# KiCad board TEST_PANEL.kicad_pcb (continued)
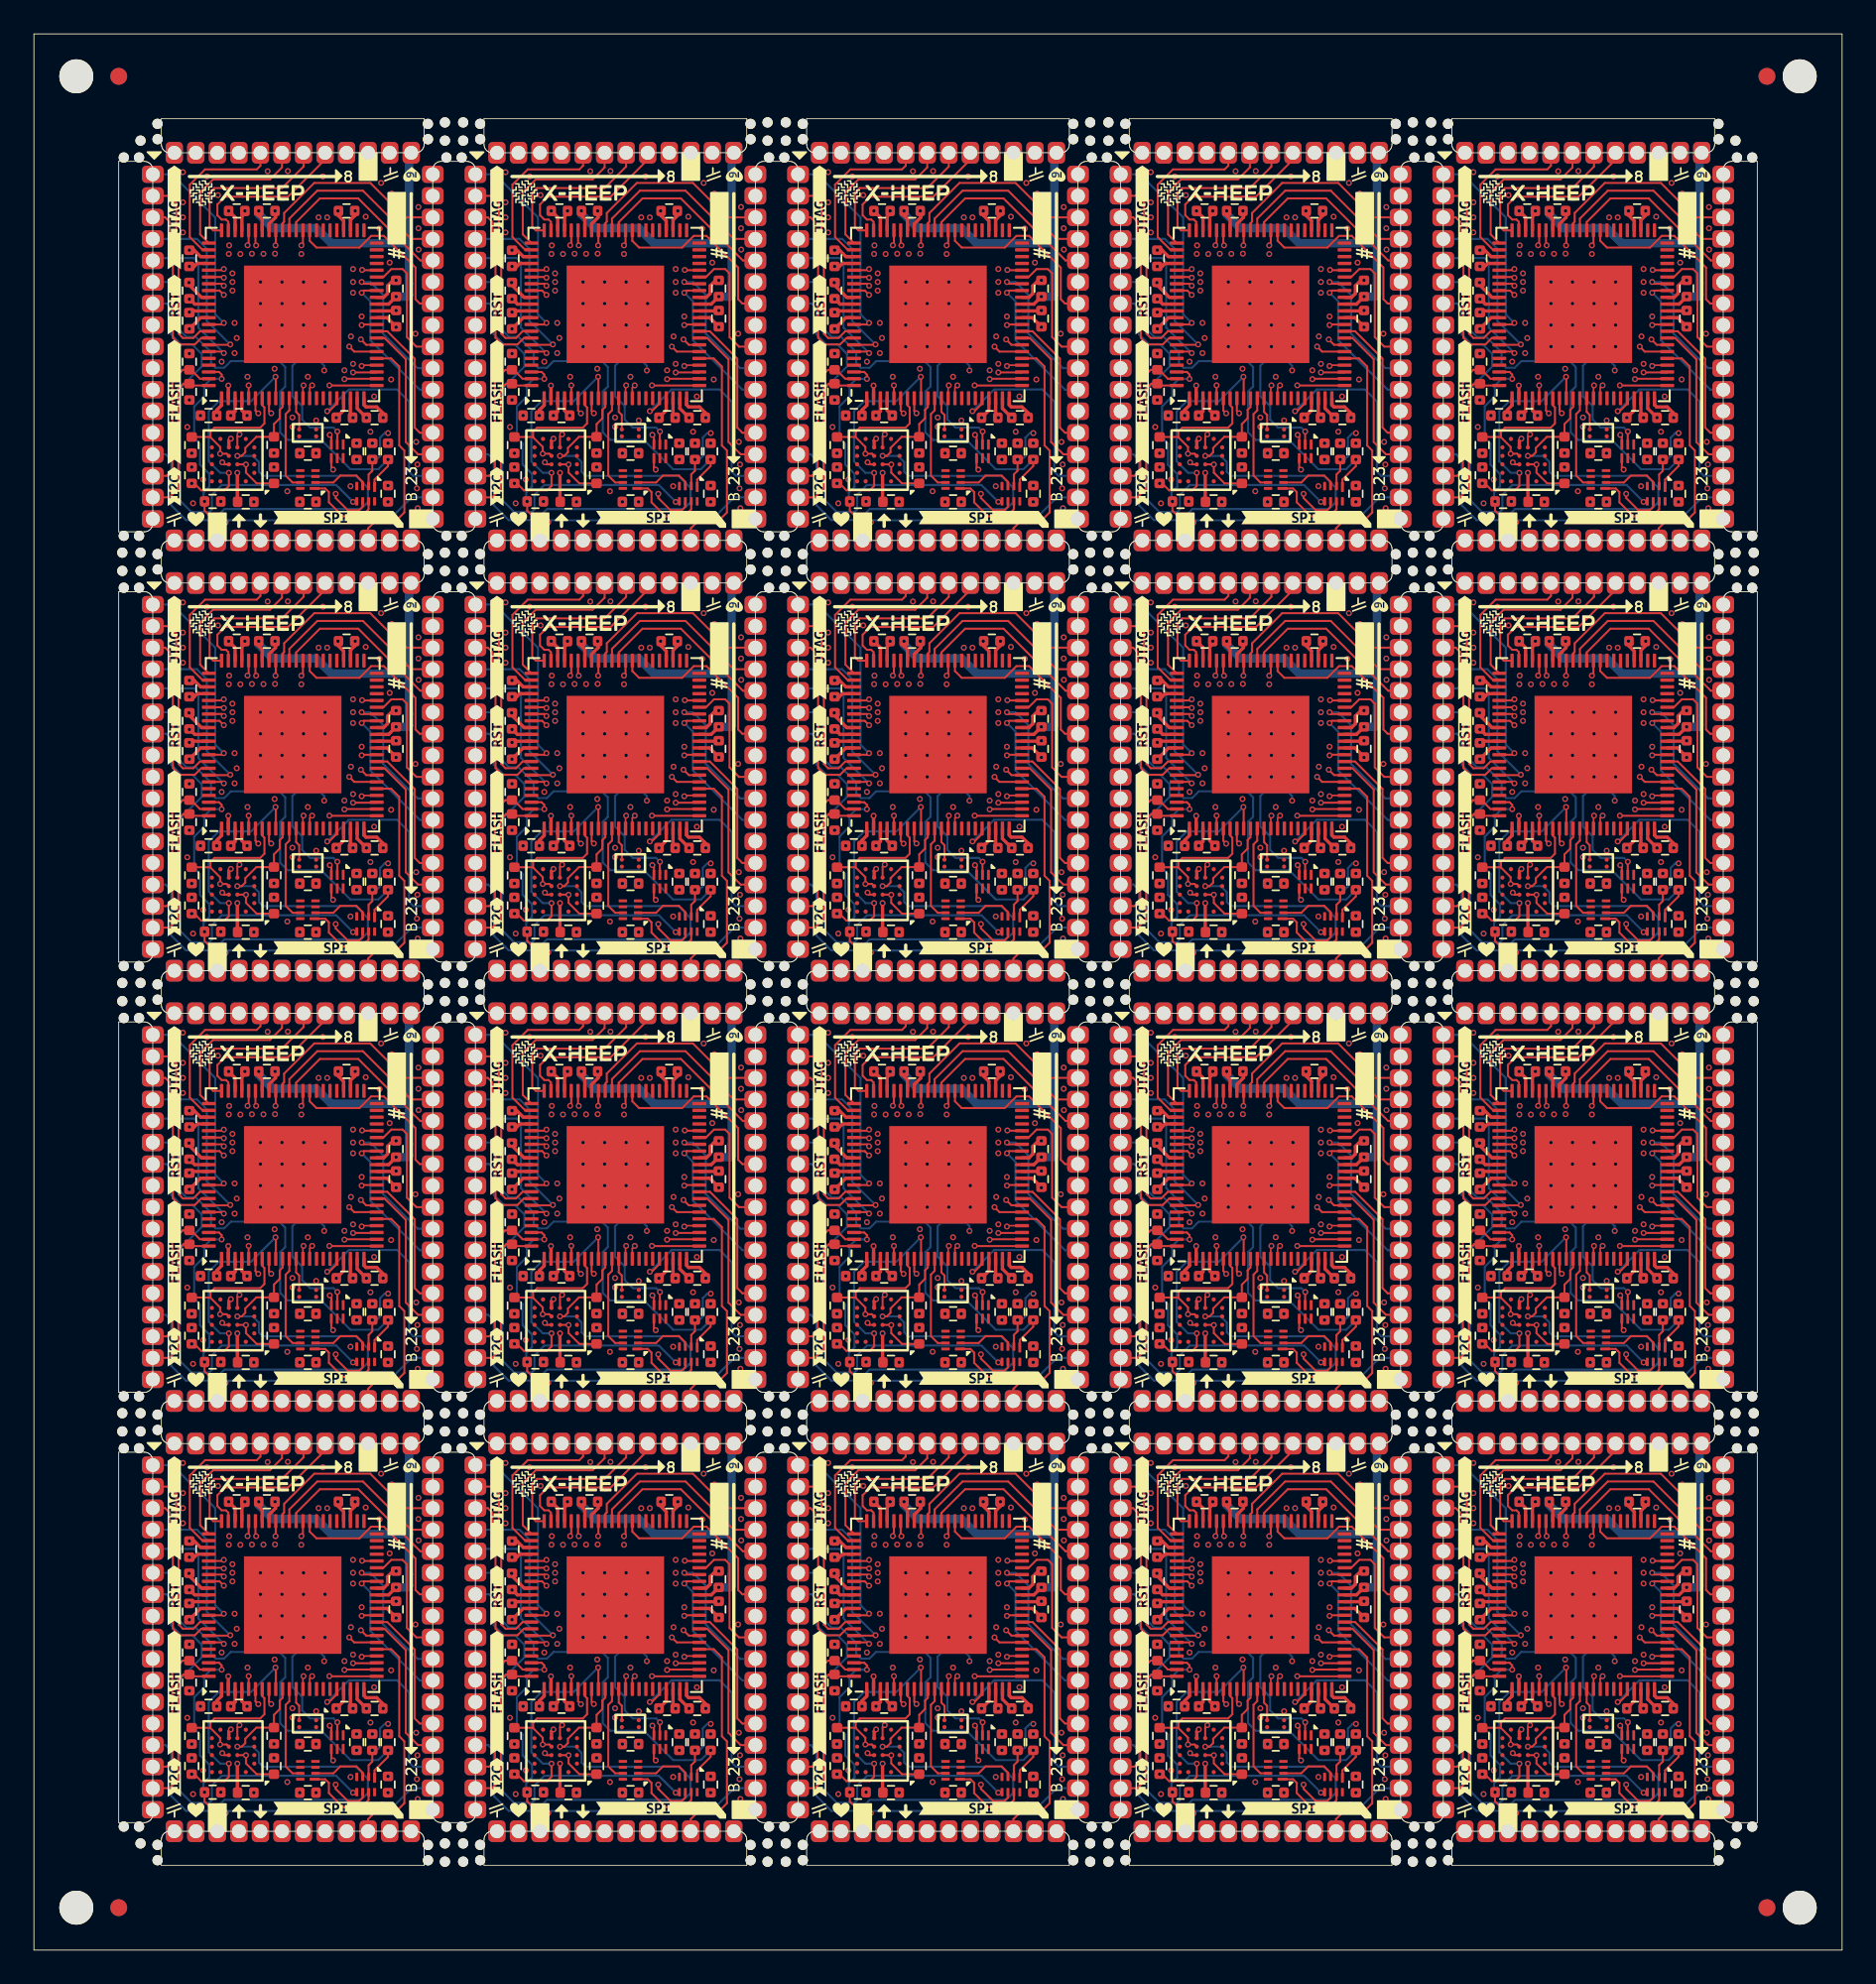
[diagram p0: board, top side]
## Routing (per net, layer and track width the routed paths; a pad name or vN(x,y) marks a point on that pad's centre or on a via; arc(x,y) is an arc through that point) (continued)
Board_15-GPIO_12: length 220.2
  Top w0.12: U46.56 91.17,51.36 92.81,53 95.5,53 98.35,50.16 J10.43 ; U61.56 53.12,76.73 54.76,78.37 57.45,78.37 60.3,75.53 J13.43 ; U41.56 72.14,51.36 73.79,53 76.48,53 79.32,50.16 J9.43 ; J18.43 60.3,100.9 57.45,103.75 54.76,103.75 53.12,102.1 U86.56 ; U16.56 72.14,25.98 73.79,27.63 76.48,27.63 79.32,24.79 J4.43 ; U1.56 15.06,25.98 16.71,27.63 19.4,27.63 22.24,24.79 23.52,24.79 ; U31.56 34.09,51.36 35.74,53 38.43,53 41.27,50.16 J7.43 ; J2.43 41.27,24.79 38.43,27.63 35.74,27.63 34.09,25.98 U6.56 ; J15.43 98.35,75.53 95.5,78.37 92.81,78.37 91.17,76.73 U71.56 ; U56.56 34.09,76.73 35.74,78.37 38.43,78.37 41.27,75.53 J12.43 ; U81.56 34.09,102.1 35.74,103.75 38.43,103.75 41.27,100.9 J17.43 ; J20.43 98.35,100.9 95.5,103.75 92.81,103.75 91.17,102.1 U96.56 ; U26.56 15.06,51.36 16.71,53 19.4,53 22.24,50.16 23.52,50.16 ; J3.43 60.3,24.79 57.45,27.63 54.76,27.63 53.12,25.98 U11.56 ; U91.56 72.14,102.1 73.79,103.75 76.48,103.75 79.32,100.9 J19.43 ; U66.56 72.14,76.73 73.79,78.37 76.48,78.37 79.32,75.53 J14.43 ; U21.56 91.17,25.98 92.81,27.63 95.5,27.63 98.35,24.79 J5.43 ; J8.43 60.3,50.16 57.45,53 54.76,53 53.12,51.36 U36.56 ; U76.56 15.06,102.1 16.71,103.75 19.4,103.75 22.24,100.9 23.52,100.9 ; U51.56 15.06,76.73 16.71,78.37 19.4,78.37 22.24,75.53 23.52,75.53
Board_15-GPIO_13: length 212.6
  Top w0.12: J13.42 60.84,74.26 57.18,77.92 54.92,77.92 53.51,76.52 U61.55 ; U36.55 53.51,51.15 54.92,52.55 57.18,52.55 60.84,48.89 J8.42 ; U11.55 53.51,25.78 54.92,27.18 57.18,27.18 60.84,23.52 J3.42 ; U16.55 72.54,25.78 73.94,27.18 76.2,27.18 79.86,23.52 J4.42 ; J10.42 98.89,48.89 95.23,52.55 92.97,52.55 91.57,51.15 U46.55 ; J20.42 98.89,99.63 95.23,103.29 92.97,103.29 91.57,101.89 U96.55 ; 23.52,23.52 22.78,23.52 19.13,27.18 16.86,27.18 15.46,25.78 U1.55 ; J2.42 41.81,23.52 38.15,27.18 35.89,27.18 34.49,25.78 U6.55 ; J7.42 41.81,48.89 38.15,52.55 35.89,52.55 34.49,51.15 U31.55 ; U26.55 15.46,51.15 16.86,52.55 19.13,52.55 22.78,48.89 23.52,48.89 ; J5.42 98.89,23.52 95.23,27.18 92.97,27.18 91.57,25.78 U21.55 ; J12.42 41.81,74.26 38.15,77.92 35.89,77.92 34.49,76.52 U56.55 ; 23.52,74.26 22.78,74.26 19.13,77.92 16.86,77.92 15.46,76.52 U51.55 ; J15.42 98.89,74.26 95.23,77.92 92.97,77.92 91.57,76.52 U71.55 ; U91.55 72.54,101.89 73.94,103.29 76.2,103.29 79.86,99.63 J19.42 ; U66.55 72.54,76.52 73.94,77.92 76.2,77.92 79.86,74.26 J14.42 ; U41.55 72.54,51.15 73.94,52.55 76.2,52.55 79.86,48.89 J9.42 ; 23.52,99.63 22.78,99.63 19.13,103.29 16.86,103.29 15.46,101.89 U76.55 ; U81.55 34.49,101.89 35.89,103.29 38.15,103.29 41.81,99.63 J17.42 ; U86.55 53.51,101.89 54.92,103.29 57.18,103.29 60.84,99.63 J18.42
Board_15-GPIO_14: length 191.3
  Top w0.12: U6.54 34.89,24.5 v1(34.8,24.41) ; U71.54 91.97,75.24 v1(91.88,75.15) ; U16.54 72.94,24.5 v1(72.85,24.41) ; U46.54 91.97,49.87 v1(91.88,49.78) ; v1(72.85,49.78) 72.94,49.87 U41.54 ; U86.54 53.91,100.61 v1(53.82,100.52) ; v1(53.82,24.41) 53.91,24.5 U11.54 ; U61.54 53.91,75.24 v1(53.82,75.15) ; U56.54 34.89,75.24 v1(34.8,75.15) ; v1(15.77,24.41) 15.86,24.5 U1.54 ; v1(91.88,24.41) 91.97,24.5 U21.54 ; U91.54 72.94,100.61 v1(72.85,100.52) ; U31.54 34.89,49.87 v1(34.8,49.78) ; v1(15.77,100.52) 15.86,100.61 U76.54 ; v1(15.77,75.15) 15.86,75.24 U51.54 ; U96.54 91.97,100.61 v1(91.88,100.52) ; v1(72.85,75.15) 72.94,75.24 U66.54 ; v1(53.82,49.78) 53.91,49.87 U36.54 ; U81.54 34.89,100.61 v1(34.8,100.52) ; v1(15.77,49.78) 15.86,49.87 U26.54
  In3.Cu w0.12: v1(34.8,100.52) 34.94,100.37 36.11,100.37 36.56,99.92 40.22,99.92 41.78,98.36 J17.41 ; v1(72.85,75.15) 73,75 74.16,75 74.61,74.55 78.27,74.55 79.83,72.99 J14.41 ; 23.52,22.25 22.75,22.25 21.19,23.81 17.53,23.81 17.08,24.26 15.92,24.26 v1(15.77,24.41) ; J12.41 41.78,72.99 40.22,74.55 36.56,74.55 36.11,75 34.94,75 v1(34.8,75.15) ; 23.52,98.36 22.75,98.36 21.19,99.92 17.53,99.92 17.08,100.37 15.92,100.37 v1(15.77,100.52) ; J7.41 41.78,47.62 40.22,49.18 36.56,49.18 36.11,49.63 34.94,49.63 v1(34.8,49.78) ; J9.41 79.83,47.62 78.27,49.18 74.61,49.18 74.16,49.63 73,49.63 v1(72.85,49.78) ; v1(53.82,75.15) 53.97,75 55.13,75 55.58,74.55 59.25,74.55 60.81,72.99 J13.41 ; v1(53.82,49.78) 53.97,49.63 55.13,49.63 55.58,49.18 59.25,49.18 60.81,47.62 J8.41 ; J4.41 79.83,22.25 78.27,23.81 74.61,23.81 74.16,24.26 73,24.26 v1(72.85,24.41) ; v1(15.77,49.78) 15.92,49.63 17.08,49.63 17.53,49.18 21.19,49.18 22.75,47.62 23.52,47.62 ; J5.41 98.86,22.25 97.3,23.81 93.64,23.81 93.19,24.26 92.02,24.26 v1(91.88,24.41) ; v1(53.82,24.41) 53.97,24.26 55.13,24.26 55.58,23.81 59.25,23.81 60.81,22.25 J3.41 ; v1(91.88,100.52) 92.02,100.37 93.19,100.37 93.64,99.92 97.3,99.92 98.86,98.36 J20.41 ; J2.41 41.78,22.25 40.22,23.81 36.56,23.81 36.11,24.26 34.94,24.26 v1(34.8,24.41) ; J19.41 79.83,98.36 78.27,99.92 74.61,99.92 74.16,100.37 73,100.37 v1(72.85,100.52) ; v1(53.82,100.52) 53.97,100.37 55.13,100.37 55.58,99.92 59.25,99.92 60.81,98.36 J18.41 ; v1(91.88,75.15) 92.02,75 93.19,75 93.64,74.55 97.3,74.55 98.86,72.99 J15.41 ; J10.41 98.86,47.62 97.3,49.18 93.64,49.18 93.19,49.63 92.02,49.63 v1(91.88,49.78) ; v1(15.77,75.15) 15.92,75 17.08,75 17.53,74.55 21.19,74.55 22.75,72.99 23.52,72.99
Board_15-GPIO_15: length 221.3
  Top w0.12: J8.40 60.81,46.35 60.55,46.6 60.55,48.47 58.69,50.34 57.94,50.34 57.25,49.65 54.71,49.65 54.31,50.05 U36.53 ; 23.52,20.98 22.76,20.98 22.5,21.23 22.5,23.1 20.63,24.97 19.89,24.97 19.2,24.28 16.66,24.28 16.26,24.68 U1.53 ; U31.53 35.29,50.05 35.69,49.65 38.23,49.65 38.91,50.34 39.66,50.34 41.53,48.47 41.53,46.6 41.78,46.35 J7.40 ; U6.53 35.29,24.68 35.69,24.28 38.23,24.28 38.91,24.97 39.66,24.97 41.53,23.1 41.53,21.23 41.78,20.98 J2.40 ; J17.40 41.78,97.09 41.53,97.34 41.53,99.21 39.66,101.08 38.91,101.08 38.23,100.39 35.69,100.39 35.29,100.79 U81.53 ; U21.53 92.37,24.68 92.76,24.28 95.3,24.28 95.99,24.97 96.74,24.97 98.61,23.1 98.61,21.23 98.86,20.98 J5.40 ; 23.52,97.09 22.76,97.09 22.5,97.34 22.5,99.21 20.63,101.08 19.89,101.08 19.2,100.39 16.66,100.39 16.26,100.79 U76.53 ; J20.40 98.86,97.09 98.61,97.34 98.61,99.21 96.74,101.08 95.99,101.08 95.3,100.39 92.76,100.39 92.37,100.79 U96.53 ; U16.53 73.34,24.68 73.74,24.28 76.28,24.28 76.97,24.97 77.71,24.97 79.58,23.1 79.58,21.23 79.83,20.98 J4.40 ; J12.40 41.78,71.72 41.53,71.97 41.53,73.84 39.66,75.71 38.91,75.71 38.23,75.02 35.69,75.02 35.29,75.42 U56.53 ; J3.40 60.81,20.98 60.55,21.23 60.55,23.1 58.69,24.97 57.94,24.97 57.25,24.28 54.71,24.28 54.31,24.68 U11.53 ; J15.40 98.86,71.72 98.61,71.97 98.61,73.84 96.74,75.71 95.99,75.71 95.3,75.02 92.76,75.02 92.37,75.42 U71.53 ; U41.53 73.34,50.05 73.74,49.65 76.28,49.65 76.97,50.34 77.71,50.34 79.58,48.47 79.58,46.6 79.83,46.35 J9.40 ; J13.40 60.81,71.72 60.55,71.97 60.55,73.84 58.69,75.71 57.94,75.71 57.25,75.02 54.71,75.02 54.31,75.42 U61.53 ; J19.40 79.83,97.09 79.58,97.34 79.58,99.21 77.71,101.08 76.97,101.08 76.28,100.39 73.74,100.39 73.34,100.79 U91.53 ; U26.53 16.26,50.05 16.66,49.65 19.2,49.65 19.89,50.34 20.63,50.34 22.5,48.47 22.5,46.6 22.76,46.35 23.52,46.35 ; U66.53 73.34,75.42 73.74,75.02 76.28,75.02 76.97,75.71 77.71,75.71 79.58,73.84 79.58,71.97 79.83,71.72 J14.40 ; J18.40 60.81,97.09 60.55,97.34 60.55,99.21 58.69,101.08 57.94,101.08 57.25,100.39 54.71,100.39 54.31,100.79 U86.53 ; J10.40 98.86,46.35 98.61,46.6 98.61,48.47 96.74,50.34 95.99,50.34 95.3,49.65 92.76,49.65 92.37,50.05 U46.53 ; 23.52,71.72 22.76,71.72 22.5,71.97 22.5,73.84 20.63,75.71 19.89,75.71 19.2,75.02 16.66,75.02 16.26,75.42 U51.53
Board_15-GPIO_16: length 150
  Top w0.12: 20.52,99.03 20.24,99.03 U76.40 19.37,99.06 v1(19.35,99.07) ; v1(38.38,48.33) 38.39,48.31 U31.40 39.26,48.29 39.55,48.29 ; 20.52,22.92 20.24,22.92 U1.40 19.37,22.94 v1(19.35,22.96) ; 39.55,73.66 39.26,73.66 U56.40 38.39,73.68 v1(38.38,73.7) ; 96.63,99.03 96.34,99.03 U96.40 95.47,99.06 v1(95.46,99.07) ; v1(57.4,22.96) 57.42,22.94 U11.40 58.29,22.92 58.57,22.92 ; v1(57.4,48.33) 57.42,48.31 U36.40 58.29,48.29 58.57,48.29 ; 77.6,99.03 77.31,99.03 U91.40 76.45,99.06 v1(76.43,99.07) ; 58.57,99.03 58.29,99.03 U86.40 57.42,99.06 v1(57.4,99.07) ; 96.63,73.66 96.34,73.66 U71.40 95.47,73.68 v1(95.46,73.7) ; v1(57.4,73.7) 57.42,73.68 U61.40 58.29,73.66 58.57,73.66 ; 20.52,73.66 20.24,73.66 U51.40 19.37,73.68 v1(19.35,73.7) ; v1(95.46,22.96) 95.47,22.94 U21.40 96.34,22.92 96.63,22.92 ; v1(38.38,99.07) 38.39,99.06 U81.40 39.26,99.03 39.55,99.03 ; v1(76.43,73.7) 76.45,73.68 U66.40 77.31,73.66 77.6,73.66 ; v1(95.46,48.33) 95.47,48.31 U46.40 96.34,48.29 96.63,48.29 ; v1(76.43,22.96) 76.45,22.94 U16.40 77.31,22.92 77.6,22.92 ; v1(19.35,48.33) 19.37,48.31 U26.40 20.24,48.29 20.52,48.29 ; v1(76.43,48.33) 76.45,48.31 U41.40 77.31,48.29 77.6,48.29 ; v1(38.38,22.96) 38.39,22.94 U6.40 39.26,22.92 39.55,22.92
  In3.Cu w0.12: v1(38.38,99.07) 39.39,98.06 40.77,98.06 41.27,97.55 41.27,96.18 41.63,95.82 J17.39 ; v1(76.43,22.96) 77.45,21.94 78.82,21.94 79.33,21.44 79.33,20.06 79.68,19.71 J4.39 ; v1(19.35,22.96) 20.37,21.94 21.74,21.94 22.25,21.44 22.25,20.06 22.6,19.71 23.52,19.71 ; v1(57.4,48.33) 58.42,47.31 59.79,47.31 60.3,46.81 60.3,45.43 60.66,45.08 J8.39 ; v1(76.43,99.07) 77.45,98.06 78.82,98.06 79.33,97.55 79.33,96.18 79.68,95.82 J19.39 ; v1(95.46,22.96) 96.47,21.94 97.84,21.94 98.35,21.44 98.35,20.06 98.71,19.71 J5.39 ; v1(57.4,99.07) 58.42,98.06 59.79,98.06 60.3,97.55 60.3,96.18 60.66,95.82 J18.39 ; v1(38.38,22.96) 39.39,21.94 40.77,21.94 41.27,21.44 41.27,20.06 41.63,19.71 J2.39 ; J7.39 41.63,45.08 41.27,45.43 41.27,46.81 40.77,47.31 39.39,47.31 v1(38.38,48.33) ; J13.39 60.66,70.45 60.3,70.81 60.3,72.18 59.79,72.69 58.42,72.69 v1(57.4,73.7) ; v1(95.46,48.33) 96.47,47.31 97.84,47.31 98.35,46.81 98.35,45.43 98.71,45.08 J10.39 ; 23.52,70.45 22.6,70.45 22.25,70.81 22.25,72.18 21.74,72.69 20.37,72.69 v1(19.35,73.7) ; v1(19.35,99.07) 20.37,98.06 21.74,98.06 22.25,97.55 22.25,96.18 22.6,95.82 23.52,95.82 ; J15.39 98.71,70.45 98.35,70.81 98.35,72.18 97.84,72.69 96.47,72.69 v1(95.46,73.7) ; v1(76.43,73.7) 77.45,72.69 78.82,72.69 79.33,72.18 79.33,70.81 79.68,70.45 J14.39 ; J20.39 98.71,95.82 98.35,96.18 98.35,97.55 97.84,98.06 96.47,98.06 v1(95.46,99.07) ; J3.39 60.66,19.71 60.3,20.06 60.3,21.44 59.79,21.94 58.42,21.94 v1(57.4,22.96) ; v1(38.38,73.7) 39.39,72.69 40.77,72.69 41.27,72.18 41.27,70.81 41.63,70.45 J12.39 ; v1(19.35,48.33) 20.37,47.31 21.74,47.31 22.25,46.81 22.25,45.43 22.6,45.08 23.52,45.08 ; v1(76.43,48.33) 77.45,47.31 78.82,47.31 79.33,46.81 79.33,45.43 79.68,45.08 J9.39
Board_15-GPIO_17: length 151.9
  Top w0.12: U71.39 96.71,73.28 97.18,73.75 97.84,73.75 98.1,73.5 98.1,69.74 98.66,69.18 J15.38 ; U51.39 20.61,73.28 21.08,73.75 21.74,73.75 21.99,73.5 21.99,69.74 22.55,69.18 23.52,69.18 ; U21.39 96.71,22.54 97.18,23.01 97.84,23.01 98.1,22.76 98.1,19 98.66,18.44 J5.38 ; U96.39 96.71,98.66 97.18,99.12 97.84,99.12 98.1,98.87 98.1,95.11 98.66,94.55 J20.38 ; J8.38 60.6,43.81 60.05,44.37 60.05,48.13 59.79,48.38 59.13,48.38 58.66,47.91 U36.39 ; U76.39 20.61,98.66 21.08,99.12 21.74,99.12 21.99,98.87 21.99,95.11 22.55,94.55 23.52,94.55 ; J7.38 41.58,43.81 41.02,44.37 41.02,48.13 40.77,48.38 40.1,48.38 39.64,47.91 U31.39 ; J14.38 79.63,69.18 79.07,69.74 79.07,73.5 78.82,73.75 78.16,73.75 77.69,73.28 U66.39 ; U91.39 77.69,98.66 78.16,99.12 78.82,99.12 79.07,98.87 79.07,95.11 79.63,94.55 J19.38 ; J9.38 79.63,43.81 79.07,44.37 79.07,48.13 78.82,48.38 78.16,48.38 77.69,47.91 U41.39 ; J10.38 98.66,43.81 98.1,44.37 98.1,48.13 97.84,48.38 97.18,48.38 96.71,47.91 U46.39 ; 23.52,43.81 22.55,43.81 21.99,44.37 21.99,48.13 21.74,48.38 21.08,48.38 20.61,47.91 U26.39 ; U1.39 20.61,22.54 21.08,23.01 21.74,23.01 21.99,22.76 21.99,19 22.55,18.44 23.52,18.44 ; U86.39 58.66,98.66 59.13,99.12 59.79,99.12 60.05,98.87 60.05,95.11 60.6,94.55 J18.38 ; J2.38 41.58,18.44 41.02,19 41.02,22.76 40.77,23.01 40.1,23.01 39.64,22.54 U6.39 ; J4.38 79.63,18.44 79.07,19 79.07,22.76 78.82,23.01 78.16,23.01 77.69,22.54 U16.39 ; U61.39 58.66,73.28 59.13,73.75 59.79,73.75 60.05,73.5 60.05,69.74 60.6,69.18 J13.38 ; J17.38 41.58,94.55 41.02,95.11 41.02,98.87 40.77,99.12 40.1,99.12 39.64,98.66 U81.39 ; J12.38 41.58,69.18 41.02,69.74 41.02,73.5 40.77,73.75 40.1,73.75 39.64,73.28 U56.39 ; J3.38 60.6,18.44 60.05,19 60.05,22.76 59.79,23.01 59.13,23.01 58.66,22.54 U11.39
Board_15-GPIO_18: length 171.3
  Top w0.12: v1(38.35,98.36) 38.46,98.26 U81.38 ; v1(95.43,47.62) 95.54,47.51 U46.38 ; U36.38 57.48,47.51 v1(57.38,47.62) ; v1(95.43,72.99) 95.54,72.88 U71.38 ; v1(76.41,72.99) 76.51,72.88 U66.38 ; v1(76.41,98.36) 76.51,98.26 U91.38 ; U31.38 38.46,47.51 v1(38.35,47.62) ; U11.38 57.48,22.14 v1(57.38,22.25) ; U1.38 19.43,22.14 v1(19.33,22.25) ; U51.38 19.43,72.88 v1(19.33,72.99) ; U61.38 57.48,72.88 v1(57.38,72.99) ; v1(38.35,72.99) 38.46,72.88 U56.38 ; U26.38 19.43,47.51 v1(19.33,47.62) ; U21.38 95.54,22.14 v1(95.43,22.25) ; v1(95.43,98.36) 95.54,98.26 U96.38 ; U16.38 76.51,22.14 v1(76.41,22.25) ; v1(57.38,98.36) 57.48,98.26 U86.38 ; v1(19.33,98.36) 19.43,98.26 U76.38 ; v1(38.35,22.25) 38.46,22.14 U6.38 ; v1(76.41,47.62) 76.51,47.51 U41.38
  Bottom w0.12: v1(19.33,72.99) 19.83,72.99 20.6,72.23 20.6,69.94 22.63,67.91 23.52,67.91 ; v1(38.35,47.62) 38.86,47.62 39.62,46.86 39.62,44.57 41.66,42.54 J7.37 ; J15.37 98.73,67.91 96.7,69.94 96.7,72.23 95.94,72.99 v1(95.43,72.99) ; v1(95.43,98.36) 95.94,98.36 96.7,97.6 96.7,95.31 98.73,93.28 J20.37 ; J2.37 41.66,17.17 39.62,19.2 39.62,21.49 38.86,22.25 v1(38.35,22.25) ; J12.37 41.66,67.91 39.62,69.94 39.62,72.23 38.86,72.99 v1(38.35,72.99) ; 23.52,17.17 22.63,17.17 20.6,19.2 20.6,21.49 19.83,22.25 v1(19.33,22.25) ; v1(76.41,72.99) 76.91,72.99 77.68,72.23 77.68,69.94 79.71,67.91 J14.37 ; J19.37 79.71,93.28 77.68,95.31 77.68,97.6 76.91,98.36 v1(76.41,98.36) ; J17.37 41.66,93.28 39.62,95.31 39.62,97.6 38.86,98.36 v1(38.35,98.36) ; J18.37 60.68,93.28 58.65,95.31 58.65,97.6 57.89,98.36 v1(57.38,98.36) ; v1(95.43,47.62) 95.94,47.62 96.7,46.86 96.7,44.57 98.73,42.54 J10.37 ; v1(76.41,22.25) 76.91,22.25 77.68,21.49 77.68,19.2 79.71,17.17 J4.37 ; J5.37 98.73,17.17 96.7,19.2 96.7,21.49 95.94,22.25 v1(95.43,22.25) ; J8.37 60.68,42.54 58.65,44.57 58.65,46.86 57.89,47.62 v1(57.38,47.62) ; J9.37 79.71,42.54 77.68,44.57 77.68,46.86 76.91,47.62 v1(76.41,47.62) ; v1(57.38,72.99) 57.89,72.99 58.65,72.23 58.65,69.94 60.68,67.91 J13.37 ; v1(57.38,22.25) 57.89,22.25 58.65,21.49 58.65,19.2 60.68,17.17 J3.37 ; 23.52,42.54 22.63,42.54 20.6,44.57 20.6,46.86 19.83,47.62 v1(19.33,47.62) ; v1(19.33,98.36) 19.83,98.36 20.6,97.6 20.6,95.31 22.63,93.28 23.52,93.28
Board_15-GPIO_19: length 176.7
  Top w0.12: 58.26,72.48 57.51,72.48 v1(57.38,72.35) ; v1(95.43,46.98) 95.56,47.11 U46.37 ; v1(57.38,97.73) 57.51,97.86 U86.37 ; v1(19.33,72.35) 19.46,72.48 20.21,72.48 ; v1(38.35,97.73) 38.48,97.86 U81.37 ; v1(95.43,97.73) 95.56,97.86 U96.37 ; U6.37 38.48,21.74 v1(38.35,21.61) ; 77.29,72.48 76.53,72.48 v1(76.41,72.35) ; U11.37 57.51,21.74 v1(57.38,21.61) ; U31.37 38.48,47.11 v1(38.35,46.98) ; U41.37 76.53,47.11 v1(76.41,46.98) ; 96.32,72.48 95.56,72.48 v1(95.43,72.35) ; U21.37 95.56,21.74 v1(95.43,21.61) ; U26.37 19.46,47.11 v1(19.33,46.98) ; v1(38.35,72.35) 38.48,72.48 39.24,72.48 ; v1(19.33,97.73) 19.46,97.86 U76.37 ; U36.37 57.51,47.11 v1(57.38,46.98) ; U91.37 76.53,97.86 v1(76.41,97.73) ; v1(19.33,21.61) 19.46,21.74 U1.37 ; v1(76.41,21.61) 76.53,21.74 U16.37
  Bottom w0.12: v1(76.41,21.61) 76.91,21.1 76.91,18.82 79.83,15.9 J4.36 ; 23.52,66.64 22.76,66.64 19.83,69.56 19.83,71.85 v1(19.33,72.35) ; v1(95.43,21.61) 95.94,21.1 95.94,18.82 98.86,15.9 J5.36 ; v1(57.38,97.73) 57.89,97.22 57.89,94.93 60.81,92.01 J18.36 ; J20.36 98.86,92.01 95.94,94.93 95.94,97.22 v1(95.43,97.73) ; J8.36 60.81,41.27 57.89,44.19 57.89,46.48 v1(57.38,46.98) ; J15.36 98.86,66.64 95.94,69.56 95.94,71.85 v1(95.43,72.35) ; J10.36 98.86,41.27 95.94,44.19 95.94,46.48 v1(95.43,46.98) ; v1(76.41,72.35) 76.91,71.85 76.91,69.56 79.83,66.64 J14.36 ; J9.36 79.83,41.27 76.91,44.19 76.91,46.48 v1(76.41,46.98) ; J17.36 41.78,92.01 38.86,94.93 38.86,97.22 v1(38.35,97.73) ; v1(38.35,21.61) 38.86,21.1 38.86,18.82 41.78,15.9 J2.36 ; J7.36 41.78,41.27 38.86,44.19 38.86,46.48 v1(38.35,46.98) ; v1(19.33,46.98) 19.83,46.48 19.83,44.19 22.76,41.27 23.52,41.27 ; J19.36 79.83,92.01 76.91,94.93 76.91,97.22 v1(76.41,97.73) ; v1(57.38,72.35) 57.89,71.85 57.89,69.56 60.81,66.64 J13.36 ; 23.52,92.01 22.76,92.01 19.83,94.93 19.83,97.22 v1(19.33,97.73) ; J12.36 41.78,66.64 38.86,69.56 38.86,71.85 v1(38.35,72.35) ; v1(57.38,21.61) 57.89,21.1 57.89,18.82 60.81,15.9 J3.36 ; v1(19.33,21.61) 19.83,21.1 19.83,18.82 22.76,15.9 23.52,15.9
Board_15-GPIO_20: length 178.1
  Top w0.12: 96.32,70.48 95.47,70.48 v1(95.43,70.45) ; v1(38.35,45.08) 38.39,45.11 U31.32 ; v1(95.43,45.08) 95.47,45.11 U46.32 ; v1(19.33,95.82) 19.36,95.86 U76.32 ; 77.29,70.48 76.44,70.48 v1(76.41,70.45) ; v1(19.33,19.71) 19.36,19.74 U1.32 ; U21.32 95.47,19.74 v1(95.43,19.71) ; v1(76.41,95.82) 76.44,95.86 U91.32 ; U11.32 57.41,19.74 v1(57.38,19.71) ; 20.21,70.48 19.36,70.48 v1(19.33,70.45) ; U86.32 57.41,95.86 v1(57.38,95.82) ; v1(38.35,95.82) 38.39,95.86 U81.32 ; U16.32 76.44,19.74 v1(76.41,19.71) ; v1(95.43,95.82) 95.47,95.86 U96.32 ; v1(57.38,45.08) 57.41,45.11 U36.32 ; U6.32 38.39,19.74 v1(38.35,19.71) ; v1(19.33,45.08) 19.36,45.11 U26.32 ; v1(38.35,70.45) 38.39,70.48 39.24,70.48 ; v1(76.41,45.08) 76.44,45.11 U41.32 ; 58.26,70.48 57.41,70.48 v1(57.38,70.45)
  In3.Cu w0.12: v1(76.41,70.45) 77.68,70.45 79.45,68.67 79.45,65.75 79.83,65.37 J14.35 ; v1(95.43,45.08) 96.7,45.08 98.48,43.3 98.48,40.38 98.86,40 99.62,40 ; J5.35 98.86,14.63 98.48,15.01 98.48,17.93 96.7,19.71 v1(95.43,19.71) ; v1(19.33,95.82) 20.6,95.82 22.38,94.04 22.38,91.12 22.76,90.74 23.52,90.74 ; J19.35 79.83,90.74 79.45,91.12 79.45,94.04 77.68,95.82 v1(76.41,95.82) ; v1(38.35,45.08) 39.62,45.08 41.4,43.3 41.4,40.38 41.78,40 42.54,40 ; v1(19.33,70.45) 20.6,70.45 22.38,68.67 22.38,65.75 22.76,65.37 23.52,65.37 ; J4.35 79.83,14.63 79.45,15.01 79.45,17.93 77.68,19.71 v1(76.41,19.71) ; J13.35 60.81,65.37 60.43,65.75 60.43,68.67 58.65,70.45 v1(57.38,70.45) ; J2.35 41.78,14.63 41.4,15.01 41.4,17.93 39.62,19.71 v1(38.35,19.71) ; v1(95.43,70.45) 96.7,70.45 98.48,68.67 98.48,65.75 98.86,65.37 J15.35 ; v1(38.35,70.45) 39.62,70.45 41.4,68.67 41.4,65.75 41.78,65.37 J12.35 ; v1(57.38,19.71) 58.65,19.71 60.43,17.93 60.43,15.01 60.81,14.63 J3.35 ; J18.35 60.81,90.74 60.43,91.12 60.43,94.04 58.65,95.82 v1(57.38,95.82) ; 61.57,40 60.81,40 60.43,40.38 60.43,43.3 58.65,45.08 v1(57.38,45.08) ; v1(19.33,45.08) 20.6,45.08 22.38,43.3 22.38,40.38 22.76,40 23.52,40 ; J20.35 98.86,90.74 98.48,91.12 98.48,94.04 96.7,95.82 v1(95.43,95.82) ; v1(76.41,45.08) 77.68,45.08 79.45,43.3 79.45,40.38 79.83,40 80.6,40 ; 23.52,14.63 22.76,14.63 22.38,15.01 22.38,17.93 20.6,19.71 v1(19.33,19.71) ; J17.35 41.78,90.74 41.4,91.12 41.4,94.04 39.62,95.82 v1(38.35,95.82)
Board_15-GPIO_21: length 163.3
  Top w0.12: U21.31 96.94,19.34 98.56,17.73 98.56,13.66 98.86,13.36 J5.34 ; U96.31 96.94,95.46 98.56,93.84 98.56,89.78 98.86,89.47 J20.34 ; U76.31 20.83,95.46 22.45,93.84 22.45,89.78 22.76,89.47 23.52,89.47 ; J8.34 60.81,38.73 60.5,39.03 60.5,43.1 58.89,44.71 U36.31 ; J17.34 41.78,89.47 41.48,89.78 41.48,93.84 39.86,95.46 U81.31 ; U1.31 20.83,19.34 22.45,17.73 22.45,13.66 22.76,13.36 23.52,13.36 ; U51.31 20.83,70.08 22.45,68.47 22.45,64.4 22.76,64.1 23.52,64.1 ; U41.31 77.91,44.71 79.53,43.1 79.53,39.03 79.83,38.73 J9.34 ; U56.31 39.86,70.08 41.48,68.47 41.48,64.4 41.78,64.1 J12.34 ; J19.34 79.83,89.47 79.53,89.78 79.53,93.84 77.91,95.46 U91.31 ; U86.31 58.89,95.46 60.5,93.84 60.5,89.78 60.81,89.47 J18.34 ; J2.34 41.78,13.36 41.48,13.66 41.48,17.73 39.86,19.34 U6.31 ; J4.34 79.83,13.36 79.53,13.66 79.53,17.73 77.91,19.34 U16.31 ; J14.34 79.83,64.1 79.53,64.4 79.53,68.47 77.91,70.08 U66.31 ; U31.31 39.86,44.71 41.48,43.1 41.48,39.03 41.78,38.73 J7.34 ; U46.31 96.94,44.71 98.56,43.1 98.56,39.03 98.86,38.73 J10.34 ; J15.34 98.86,64.1 98.56,64.4 98.56,68.47 96.94,70.08 U71.31 ; J13.34 60.81,64.1 60.5,64.4 60.5,68.47 58.89,70.08 U61.31 ; 23.52,38.73 22.76,38.73 22.45,39.03 22.45,43.1 20.83,44.71 U26.31 ; J3.34 60.81,13.36 60.5,13.66 60.5,17.73 58.89,19.34 U11.31
Board_15-GPIO_22: length 180
  Top w0.12: U46.30 96.78,44.31 98.04,43.06 98.04,38.18 98.76,37.46 J10.33 ; U41.30 77.75,44.31 79.01,43.06 79.01,38.18 79.73,37.46 J9.33 ; U81.30 39.7,95.06 40.96,93.8 40.96,88.92 41.68,88.2 J17.33 ; U91.30 77.75,95.06 79.01,93.8 79.01,88.92 79.73,88.2 J19.33 ; U26.30 20.68,44.31 21.93,43.06 21.93,38.18 22.65,37.46 23.52,37.46 ; J8.33 60.71,37.46 59.98,38.18 59.98,43.06 58.73,44.31 U36.30 ; U76.30 20.68,95.06 21.93,93.8 21.93,88.92 22.65,88.2 23.52,88.2 ; 23.52,12.09 22.65,12.09 21.93,12.81 21.93,17.69 20.68,18.94 U1.30 ; U31.30 39.7,44.31 40.96,43.06 40.96,38.18 41.68,37.46 J7.33 ; J14.33 79.73,62.83 79.01,63.55 79.01,68.43 77.75,69.68 U66.30 ; U56.30 39.7,69.68 40.96,68.43 40.96,63.55 41.68,62.83 J12.33 ; U71.30 96.78,69.68 98.04,68.43 98.04,63.55 98.76,62.83 J15.33 ; J2.33 41.68,12.09 40.96,12.81 40.96,17.69 39.7,18.94 U6.30 ; J13.33 60.71,62.83 59.98,63.55 59.98,68.43 58.73,69.68 U61.30 ; J5.33 98.76,12.09 98.04,12.81 98.04,17.69 96.78,18.94 U21.30 ; 23.52,62.83 22.65,62.83 21.93,63.55 21.93,68.43 20.68,69.68 U51.30 ; J3.33 60.71,12.09 59.98,12.81 59.98,17.69 58.73,18.94 U11.30 ; U96.30 96.78,95.06 98.04,93.8 98.04,88.92 98.76,88.2 J20.33 ; U16.30 77.75,18.94 79.01,17.69 79.01,12.81 79.73,12.09 J4.33 ; J18.33 60.71,88.2 59.98,88.92 59.98,93.8 58.73,95.06 U86.30
Board_15-GPIO_23: length 241.8
  Top w0.12: U36.18 55.91,40.45 55.46,40 v1(55.35,40) ; U66.18 74.94,65.82 74.49,65.37 v1(74.37,65.37) ; v1(74.37,14.63) 74.49,14.63 74.94,15.08 U16.18 ; v1(55.35,90.74) 55.46,90.74 55.91,91.2 U86.18 ; v1(93.4,14.63) 93.51,14.63 93.97,15.08 U21.18 ; v1(74.37,40) 74.49,40 74.94,40.45 U41.18 ; U46.18 93.97,40.45 93.51,40 v1(93.4,40) ; v1(74.37,90.74) 74.49,90.74 74.94,91.2 U91.18 ; v1(55.35,14.63) 55.46,14.63 55.91,15.08 U11.18 ; v1(36.32,90.74) 36.43,90.74 36.89,91.2 U81.18 ; v1(55.35,65.37) 55.46,65.37 55.91,65.82 U61.18 ; U1.18 17.86,15.08 17.41,14.63 v1(17.3,14.63) ; U76.18 17.86,91.2 17.41,90.74 v1(17.3,90.74) ; U31.18 36.89,40.45 36.43,40 v1(36.32,40) ; v1(17.3,40) 17.41,40 17.86,40.45 U26.18 ; v1(36.32,65.37) 36.43,65.37 36.89,65.82 U56.18 ; v1(93.4,90.74) 93.51,90.74 93.97,91.2 U96.18 ; U6.18 36.89,15.08 36.43,14.63 v1(36.32,14.63) ; v1(17.3,65.37) 17.41,65.37 17.86,65.82 U51.18 ; v1(93.4,65.37) 93.51,65.37 93.97,65.82 U71.18
  Bottom w0.12: v1(17.3,65.37) 18.58,66.65 21.41,66.65 22.12,65.94 22.12,61.81 22.37,61.56 23.26,61.56 ; 80.34,36.19 79.45,36.19 79.2,36.44 79.2,40.57 78.49,41.28 75.65,41.28 v1(74.37,40) ; v1(36.32,90.74) 37.6,92.02 40.44,92.02 41.15,91.31 41.15,87.18 41.4,86.93 42.28,86.93 ; v1(55.35,40) 56.63,41.28 59.47,41.28 60.17,40.57 60.17,36.44 60.42,36.19 61.31,36.19 ; 99.36,86.93 98.48,86.93 98.22,87.18 98.22,91.31 97.52,92.02 94.68,92.02 v1(93.4,90.74) ; v1(36.32,14.63) 37.6,15.91 40.44,15.91 41.15,15.2 41.15,11.07 41.4,10.82 42.28,10.82 ; 61.31,10.82 60.42,10.82 60.17,11.07 60.17,15.2 59.47,15.91 56.63,15.91 v1(55.35,14.63) ; 42.28,61.56 41.4,61.56 41.15,61.81 41.15,65.94 40.44,66.65 37.6,66.65 v1(36.32,65.37) ; v1(93.4,14.63) 94.68,15.91 97.52,15.91 98.22,15.2 98.22,11.07 98.48,10.82 99.36,10.82 ; v1(93.4,40) 94.68,41.28 97.52,41.28 98.22,40.57 98.22,36.44 98.48,36.19 99.36,36.19 ; 80.34,10.82 79.45,10.82 79.2,11.07 79.2,15.2 78.49,15.91 75.65,15.91 v1(74.37,14.63) ; v1(93.4,65.37) 94.68,66.65 97.52,66.65 98.22,65.94 98.22,61.81 98.48,61.56 99.36,61.56 ; 80.34,86.93 79.45,86.93 79.2,87.18 79.2,91.31 78.49,92.02 75.65,92.02 v1(74.37,90.74) ; 61.31,86.93 60.42,86.93 60.17,87.18 60.17,91.31 59.47,92.02 56.63,92.02 v1(55.35,90.74) ; 80.34,61.56 79.45,61.56 79.2,61.81 79.2,65.94 78.49,66.65 75.65,66.65 v1(74.37,65.37) ; v1(17.3,14.63) 18.58,15.91 21.41,15.91 22.12,15.2 22.12,11.07 22.37,10.82 23.26,10.82 ; 23.26,36.19 22.37,36.19 22.12,36.44 22.12,40.57 21.41,41.28 18.58,41.28 v1(17.3,40) ; 42.28,36.19 41.4,36.19 41.15,36.44 41.15,40.57 40.44,41.28 37.6,41.28 v1(36.32,40) ; 61.31,61.56 60.42,61.56 60.17,61.81 60.17,65.94 59.47,66.65 56.63,66.65 v1(55.35,65.37) ; v1(17.3,90.74) 18.58,92.02 21.41,92.02 22.12,91.31 22.12,87.18 22.37,86.93 23.26,86.93
Board_15-I2C_SCL_HEEP: length 191.4
  Top w0.12: J12.16 27.02,60.29 27.54,60.81 27.54,66.69 27.84,66.99 R101.2 28.3,66.88 U56.88 ; J4.16 65.07,9.55 65.59,10.07 65.59,15.95 65.9,16.25 R29.2 66.35,16.14 U16.88 ; U6.88 28.3,16.14 R11.2 27.84,16.25 27.54,15.95 27.54,10.07 27.02,9.55 J2.16 ; J3.16 46.05,9.55 46.57,10.07 46.57,15.95 46.87,16.25 R20.2 47.33,16.14 U11.88 ; J16.16 7.99,85.66 8.51,86.18 8.51,92.06 8.82,92.36 R137.2 9.27,92.26 U76.88 ; J19.16 65.07,85.66 65.59,86.18 65.59,92.06 65.9,92.36 R164.2 66.35,92.26 U91.88 ; J20.16 84.1,85.66 84.62,86.18 84.62,92.06 84.92,92.36 R173.2 85.38,92.26 U96.88 ; U66.88 66.35,66.88 R119.2 65.9,66.99 65.59,66.69 65.59,60.81 65.07,60.29 J14.16 ; J18.16 46.05,85.66 46.57,86.18 46.57,92.06 46.87,92.36 R155.2 47.33,92.26 U86.88 ; J1.16 7.99,9.55 8.51,10.07 8.51,15.95 8.82,16.25 R2.2 9.27,16.14 U1.88 ; 26.03,34.92 27.02,34.92 27.54,35.44 27.54,41.32 27.84,41.62 R56.2 28.3,41.51 U31.88 ; U81.88 28.3,92.26 R146.2 27.84,92.36 27.54,92.06 27.54,86.18 27.02,85.66 J17.16 ; U51.88 9.27,66.88 R92.2 8.82,66.99 8.51,66.69 8.51,60.81 7.99,60.29 J11.16 ; J15.16 84.1,60.29 84.62,60.81 84.62,66.69 84.92,66.99 R128.2 85.38,66.88 U71.88 ; J5.16 84.1,9.55 84.62,10.07 84.62,15.95 84.92,16.25 R38.2 85.38,16.14 U21.88 ; U36.88 47.33,41.51 R65.2 46.87,41.62 46.57,41.32 46.57,35.44 46.05,34.92 45.06,34.92 ; 64.09,34.92 65.07,34.92 65.59,35.44 65.59,41.32 65.9,41.62 R74.2 66.35,41.51 U41.88 ; 83.11,34.92 84.1,34.92 84.62,35.44 84.62,41.32 84.92,41.62 R83.2 85.38,41.51 U46.88 ; U61.88 47.33,66.88 R110.2 46.87,66.99 46.57,66.69 46.57,60.81 46.05,60.29 J13.16 ; 7.01,34.92 7.99,34.92 8.51,35.44 8.51,41.32 8.82,41.62 R47.2 9.27,41.51 U26.88
